# KiCad board N2360.kicad_pcb (continued)
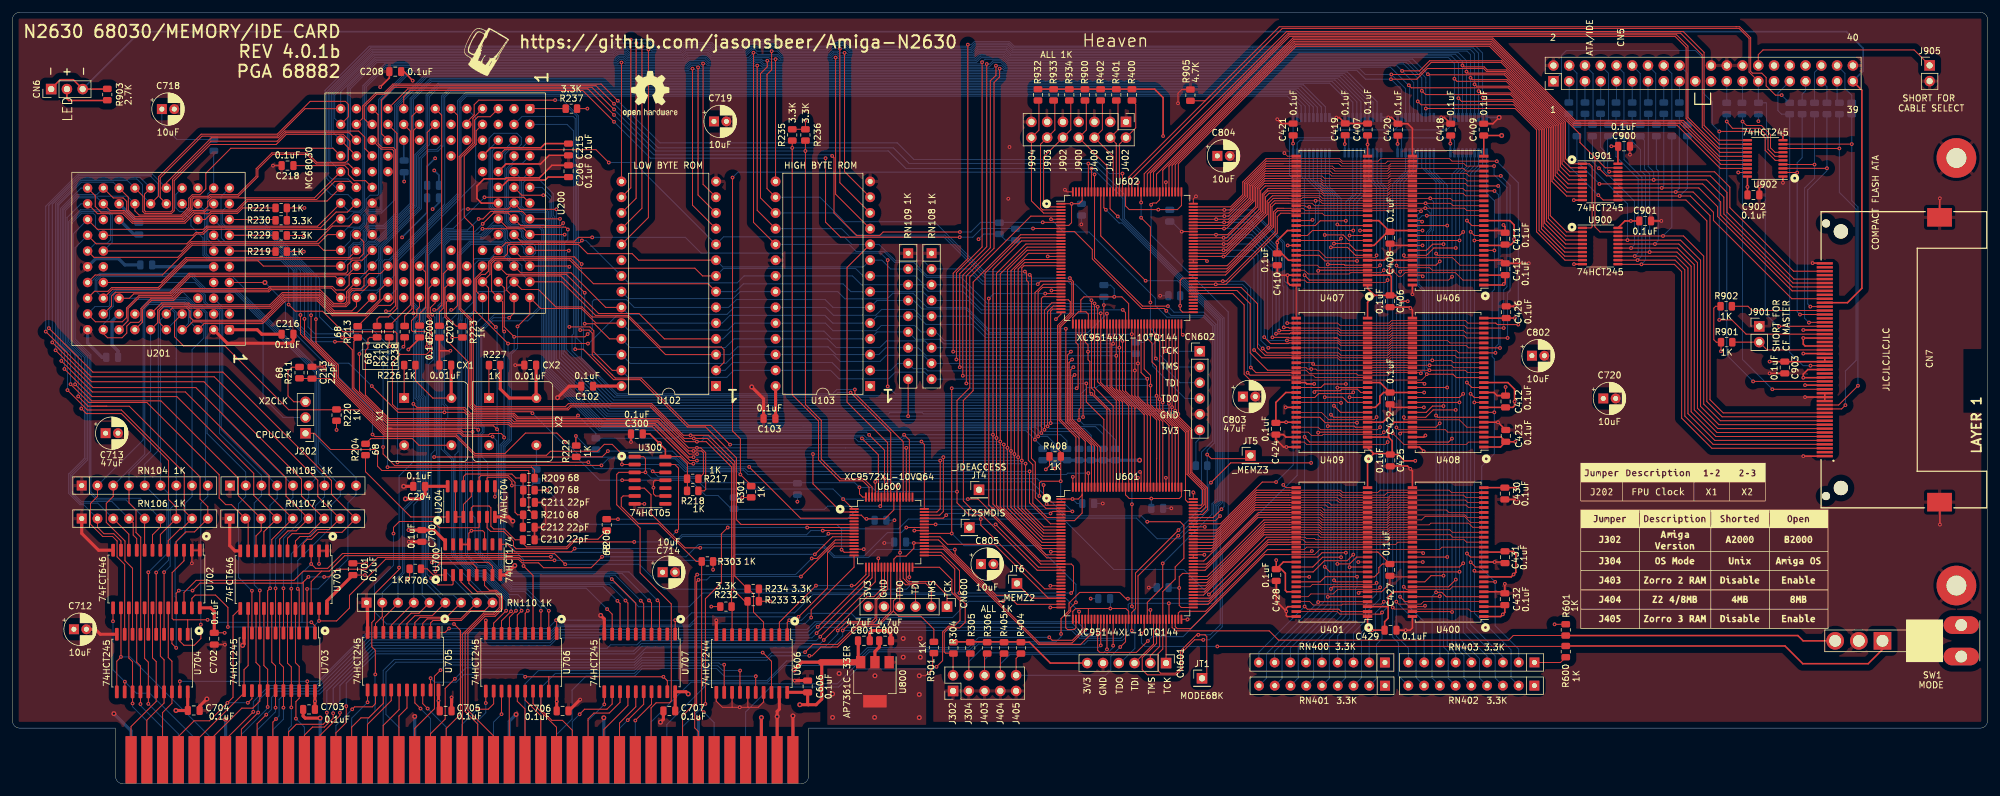
[diagram p0: board, top side]
## Footprints (pads in the part's own frame, mm; a bottom-side part is the same pattern mirrored in y, then rotated) (continued)
SOIC-20W_7.5x12.8mm_P1.27mm
  rrect 2.05x0.6 smd: 1(-4.65,5.715) 2(-4.65,4.445) 3(-4.65,3.175) 4(-4.65,1.905) 5(-4.65,0.635) 6(-4.65,-0.635) 7(-4.65,-1.905) 8(-4.65,-3.175) 9(-4.65,-4.445) 10(-4.65,-5.715) 11(4.65,-5.715) 12(4.65,-4.445) 13(4.65,-3.175) 14(4.65,-1.905) 15(4.65,-0.635) 16(4.65,0.635) 17(4.65,1.905) 18(4.65,3.175) 19(4.65,4.445) 20(4.65,5.715)
SOIC-24W_7.5x15.4mm_P1.27mm
  rrect 2.05x0.6 smd: 1(-4.65,6.985) 2(-4.65,5.715) 3(-4.65,4.445) 4(-4.65,3.175) 5(-4.65,1.905) 6(-4.65,0.635) 7(-4.65,-0.635) 8(-4.65,-1.905) 9(-4.65,-3.175) 10(-4.65,-4.445) 11(-4.65,-5.715) 12(-4.65,-6.985) 13(4.65,-6.985) 14(4.65,-5.715) 15(4.65,-4.445) 16(4.65,-3.175) 17(4.65,-1.905) 18(4.65,-0.635) 19(4.65,0.635) 20(4.65,1.905) 21(4.65,3.175) 22(4.65,4.445) 23(4.65,5.715) 24(4.65,6.985)
SOT-223-3_TabPin2
  rect 2x1.5 smd: 1(-3.15,2.3) 2(-3.15,0) 3(-3.15,-2.3)
  rect 2x3.8 smd: 2(3.15,0)
TQFP-64_10x10mm_P0.5mm
  rrect 1.475x0.3 smd: 1(-5.662,3.75) 2(-5.662,3.25) 3(-5.662,2.75) 4(-5.662,2.25) 5(-5.662,1.75) 6(-5.662,1.25) 7(-5.662,0.75) 8(-5.662,0.25) 9(-5.662,-0.25) 10(-5.662,-0.75) 11(-5.662,-1.25) 12(-5.662,-1.75) 13(-5.662,-2.25) 14(-5.662,-2.75) 15(-5.662,-3.25) 16(-5.662,-3.75) 33(5.662,-3.75) 34(5.662,-3.25) 35(5.662,-2.75) 36(5.662,-2.25) 37(5.662,-1.75) 38(5.662,-1.25) 39(5.662,-0.75) 40(5.662,-0.25) 41(5.662,0.25) 42(5.662,0.75) 43(5.662,1.25) 44(5.662,1.75) 45(5.662,2.25) 46(5.662,2.75) 47(5.662,3.25) 48(5.662,3.75)
  rrect 0.3x1.475 smd: 17(-3.75,-5.662) 18(-3.25,-5.662) 19(-2.75,-5.662) 20(-2.25,-5.662) 21(-1.75,-5.662) 22(-1.25,-5.662) 23(-0.75,-5.662) 24(-0.25,-5.662) 25(0.25,-5.662) 26(0.75,-5.662) 27(1.25,-5.662) 28(1.75,-5.662) 29(2.25,-5.662) 30(2.75,-5.662) 31(3.25,-5.662) 32(3.75,-5.662) 49(3.75,5.662) 50(3.25,5.662) 51(2.75,5.662) 52(2.25,5.662) 53(1.75,5.662) 54(1.25,5.662) 55(0.75,5.662) 56(0.25,5.662) 57(-0.25,5.662) 58(-0.75,5.662) 59(-1.25,5.662) 60(-1.75,5.662) 61(-2.25,5.662) 62(-2.75,5.662) 63(-3.25,5.662) 64(-3.75,5.662)
TQFP-144_20x20mm_P0.5mm
  rrect 1.475x0.3 smd: 1(-10.662,8.75) 2(-10.662,8.25) 3(-10.662,7.75) 4(-10.662,7.25) 5(-10.662,6.75) 6(-10.662,6.25) 7(-10.662,5.75) 8(-10.662,5.25) 9(-10.662,4.75) 10(-10.662,4.25) 11(-10.662,3.75) 12(-10.662,3.25) 13(-10.662,2.75) 14(-10.662,2.25) 15(-10.662,1.75) 16(-10.662,1.25) 17(-10.662,0.75) 18(-10.662,0.25) 19(-10.662,-0.25) 20(-10.662,-0.75) 21(-10.662,-1.25) 22(-10.662,-1.75) 23(-10.662,-2.25) 24(-10.662,-2.75) 25(-10.662,-3.25) 26(-10.662,-3.75) 27(-10.662,-4.25) 28(-10.662,-4.75) 29(-10.662,-5.25) 30(-10.662,-5.75) 31(-10.662,-6.25) 32(-10.662,-6.75) 33(-10.662,-7.25) 34(-10.662,-7.75) 35(-10.662,-8.25) 36(-10.662,-8.75) 73(10.662,-8.75) 74(10.662,-8.25) 75(10.662,-7.75) 76(10.662,-7.25) 77(10.662,-6.75) 78(10.662,-6.25) 79(10.662,-5.75) 80(10.662,-5.25) 81(10.662,-4.75) 82(10.662,-4.25) 83(10.662,-3.75) 84(10.662,-3.25) 85(10.662,-2.75) 86(10.662,-2.25) 87(10.662,-1.75) 88(10.662,-1.25) 89(10.662,-0.75) 90(10.662,-0.25) 91(10.662,0.25) 92(10.662,0.75) 93(10.662,1.25) 94(10.662,1.75) 95(10.662,2.25) 96(10.662,2.75) 97(10.662,3.25) 98(10.662,3.75) 99(10.662,4.25) 100(10.662,4.75) 101(10.662,5.25) 102(10.662,5.75) 103(10.662,6.25) 104(10.662,6.75) 105(10.662,7.25) 106(10.662,7.75) 107(10.662,8.25) 108(10.662,8.75)
  rrect 0.3x1.475 smd: 37(-8.75,-10.662) 38(-8.25,-10.662) 39(-7.75,-10.662) 40(-7.25,-10.662) 41(-6.75,-10.662) 42(-6.25,-10.662) 43(-5.75,-10.662) 44(-5.25,-10.662) 45(-4.75,-10.662) 46(-4.25,-10.662) 47(-3.75,-10.662) 48(-3.25,-10.662) 49(-2.75,-10.662) 50(-2.25,-10.662) 51(-1.75,-10.662) 52(-1.25,-10.662) 53(-0.75,-10.662) 54(-0.25,-10.662) 55(0.25,-10.662) 56(0.75,-10.662) 57(1.25,-10.662) 58(1.75,-10.662) 59(2.25,-10.662) 60(2.75,-10.662) 61(3.25,-10.662) 62(3.75,-10.662) 63(4.25,-10.662) 64(4.75,-10.662) 65(5.25,-10.662) 66(5.75,-10.662) 67(6.25,-10.662) 68(6.75,-10.662) 69(7.25,-10.662) 70(7.75,-10.662) 71(8.25,-10.662) 72(8.75,-10.662) 109(8.75,10.662) 110(8.25,10.662) 111(7.75,10.662) 112(7.25,10.662) 113(6.75,10.662) 114(6.25,10.662) 115(5.75,10.662) 116(5.25,10.662) 117(4.75,10.662) 118(4.25,10.662) 119(3.75,10.662) 120(3.25,10.662) 121(2.75,10.662) 122(2.25,10.662) 123(1.75,10.662) 124(1.25,10.662) 125(0.75,10.662) 126(0.25,10.662) 127(-0.25,10.662) 128(-0.75,10.662) 129(-1.25,10.662) 130(-1.75,10.662) 131(-2.25,10.662) 132(-2.75,10.662) 133(-3.25,10.662) 134(-3.75,10.662) 135(-4.25,10.662) 136(-4.75,10.662) 137(-5.25,10.662) 138(-5.75,10.662) 139(-6.25,10.662) 140(-6.75,10.662) 141(-7.25,10.662) 142(-7.75,10.662) 143(-8.25,10.662) 144(-8.75,10.662)
TSOP-II-54_22.2x10.16mm_P0.8mm
  rect 1.51x0.458 smd: 1(-5.75,10.4) 2(-5.75,9.6) 3(-5.75,8.8) 4(-5.75,8) 5(-5.75,7.2) 6(-5.75,6.4) 7(-5.75,5.6) 8(-5.75,4.8) 9(-5.75,4) 10(-5.75,3.2) 11(-5.75,2.4) 12(-5.75,1.6) 13(-5.75,0.8) 14(-5.75,0) 15(-5.75,-0.8) 16(-5.75,-1.6) 17(-5.75,-2.4) 18(-5.75,-3.2) 19(-5.75,-4) 20(-5.75,-4.8) 21(-5.75,-5.6) 22(-5.75,-6.4) 23(-5.75,-7.2) 24(-5.75,-8) 25(-5.75,-8.8) 26(-5.75,-9.6) 27(-5.75,-10.4) 28(5.75,-10.4) 29(5.75,-9.6) 30(5.75,-8.8) 31(5.75,-8) 32(5.75,-7.2) 33(5.75,-6.4) 34(5.75,-5.6) 35(5.75,-4.8) 36(5.75,-4) 37(5.75,-3.2) 38(5.75,-2.4) 39(5.75,-1.6) 40(5.75,-0.8) 41(5.75,0) 42(5.75,0.8) 43(5.75,1.6) 44(5.75,2.4) 45(5.75,3.2) 46(5.75,4) 47(5.75,4.8) 48(5.75,5.6) 49(5.75,6.4) 50(5.75,7.2) 51(5.75,8) 52(5.75,8.8) 53(5.75,9.6) 54(5.75,10.4)
TSSOP-20_4.4x6.5mm_P0.65mm
  rrect 1.475x0.4 smd: 1(-2.862,2.925) 2(-2.862,2.275) 3(-2.862,1.625) 4(-2.862,0.975) 5(-2.862,0.325) 6(-2.862,-0.325) 7(-2.862,-0.975) 8(-2.862,-1.625) 9(-2.862,-2.275) 10(-2.862,-2.925) 11(2.862,-2.925) 12(2.862,-2.275) 13(2.862,-1.625) 14(2.862,-0.975) 15(2.862,-0.325) 16(2.862,0.325) 17(2.862,0.975) 18(2.862,1.625) 19(2.862,2.275) 20(2.862,2.925)

## Nets
+3V3: C406.1 C407.1 C408.1 C409.1 C410.1 C411.1 C412.1 C413.1 C418.1 C419.1 C420.1 C421.1 C422.1 C423.1 C424.1 C425.1 C426.1 C427.1 C428.1 C429.1 C430.1 C431.1 C432.1 C600.1 C601.1 C602.1 C603.1 C604.1 C605.1 C607.1 C608.1 C609.1 C610.1 C800.1 C802.1 C803.1 C804.1 C805.1 CN600.6 CN601.6 CN602.6 R224.2 R225.2 R304.1 R305.1 R306.1 R400.1 R401.1 R402.1 R404.1 R405.1 R407.1 R408.1 R501.1 R600.1 R601.1 R900.1 R932.1 R933.1 R934.1 RN400.1 RN401.1 RN402.1 RN403.1 U400.1 U400.3 U400.9 U400.14 U400.27 U400.43 U400.49 U401.1 U401.3 U401.9 U401.14 U401.27 U401.43 U401.49 U406.1 U406.3 U406.9 U406.14 U406.27 U406.43 U406.49 U407.1 U407.3 U407.9 U407.14 U407.27 U407.43 U407.49 U408.1 U408.3 U408.9 U408.14 U408.27 U408.43 U408.49 U409.1 U409.3 U409.9 U409.14 U409.27 U409.43 U409.49 U418.20 U419.20 U420.20 U421.20 U600.3 U600.26 U600.37 U600.55 U601.1 U601.8 U601.37 U601.42 U601.55 U601.73 U601.84 U601.109 U601.127 U601.141 U602.1 U602.8 U602.37 U602.42 U602.55 U602.73 U602.84 U602.109 U602.127 U602.141 U800.2
+5V: C102.1 C103.1 C200.1 C201.1 C202.1 C204.1 C205.1 C206.1 C208.1 C209.1 C214.1 C215.1 C216.1 C218.1 C219.1 C220.1 C300.1 C606.1 C700.1 C701.1 C702.1 C703.1 C704.1 C705.1 C706.1 C707.1 C712.1 C713.1 C714.1 C718.1 C719.1 C720.1 C801.1 C900.1 C901.1 C902.1 C903.1 CN6.2 CN7.13 CN7.38 CN700.5 CN700.6 CX1.1 CX2.1 R217.2 R218.2 R219.2 R220.2 R221.1 R222.2 R223.2 R226.1 R227.1 R228.2 R229.2 R230.2 R231.2 R232.2 R233.2 R234.2 R235.2 R236.2 R237.2 R300.1 R301.1 R302.1 R303.1 R706.1 R901.1 R902.1 R903.1 R904.1 U102.28 U103.28 U200.32 U200.43 U200.45 U200.56 U200.60 U200.71 U200.72 U200.84 U200.86 U200.95 U201.1 U201.11 U201.18 U201.32 U201.33 U201.46 U201.50 U204.14 U300.14 U606.20 U700.16 U701.24 U702.24 U703.20 U704.20 U705.20 U706.20 U707.20 U800.3 U900.20 U901.20 U902.20 X1.8 X2.8
GND: C102.2 C103.2 C200.2 C201.2 C202.2 C204.2 C205.2 C206.2 C208.2 C209.2 C210.2 C211.2 C212.2 C213.2 C214.2 C215.2 C216.2 C218.2 C219.2 C220.2 C300.2 C406.2 C407.2 C408.2 C409.2 C410.2 C411.2 C412.2 C413.2 C418.2 C419.2 C420.2 C421.2 C422.2 C423.2 C424.2 C425.2 C426.2 C427.2 C428.2 C429.2 C430.2 C431.2 C432.2 C600.2 C601.2 C602.2 C603.2 C604.2 C605.2 C606.2 C607.2 C608.2 C609.2 C610.2 C700.2 C701.2 C702.2 C703.2 C704.2 C705.2 C706.2 C707.2 C712.2 C713.2 C714.2 C718.2 C719.2 C720.2 C800.2 C801.2 C802.2 C803.2 C804.2 C805.2 C900.2 C901.2 C902.2 C903.2 CJ1.1 CJ1.3 CJ1.5 CJ1.7 CJ1.9 CJ2.1 CJ2.3 CJ2.5 CJ2.7 CJ2.9 CJ2.11 CJ2.13 CN5.2 CN5.19 CN5.22 CN5.24 CN5.26 CN5.30 CN5.40 CN7.1 CN7.8 CN7.9 CN7.10 CN7.11 CN7.12 CN7.14 CN7.15 CN7.16 CN7.17 CN7.33 CN7.50 CN7.Z1 CN7.Z2 CN600.5 CN601.5 CN602.5 CN700.1 CN700.2 CN700.3 CN700.4 CN700.13 CN700.25 CN700.37 CN700.49 CN700.61 CN700.73 CN700.85 CX1.2 CX2.2 H1.1 H2.1 J901.1 J905.2 R100.2 R101.2 R102.2 R103.2 R104.2 R105.2 R106.2 R131.2 R905.1 RN104.1 RN105.1 RN106.1 RN107.1 RN108.1 RN109.1 RN110.1 SW1.2 U102.14 U102.20 U103.14 U103.20 U200.31 U200.33 U200.35 U200.51 U200.52 U200.57 U200.65 U200.66 U200.77 U200.78 U200.94 U200.96 U200.97 U200.98 U201.2 U201.10 U201.12 U201.13 U201.17 U201.21 U201.23 U201.28 U201.34 U201.36 U201.47 U201.56 U201.61 U204.7 U300.7 U300.9 U300.11 U400.6 U400.12 U400.28 U400.41 U400.46 U400.52 U400.54 U401.6 U401.12 U401.28 U401.41 U401.46 U401.52 U401.54 U406.6 U406.12 U406.28 U406.41 U406.46 U406.52 U406.54 U407.6 U407.12 U407.28 U407.41 U407.46 U407.52 U407.54 U408.6 U408.12 U408.28 U408.41 U408.46 U408.52 U408.54 U409.6 U409.12 U409.28 U409.41 U409.46 U409.52 U409.54 U418.10 U419.10 U420.10 U421.10 U600.14 U600.21 U600.41 U600.54 U601.18 U601.29 U601.36 U601.47 U601.62 U601.72 U601.89 U601.90 U601.99 U601.108 U601.114 U601.123 U601.144 U602.18 U602.29 U602.36 U602.47 U602.62 U602.72 U602.89 U602.90 U602.99 U602.108 U602.114 U602.123 U602.144 U606.10 U606.11 U606.13 U606.15 U606.17 U606.19 U700.8 U700.11 U700.13 U700.14 U701.1 U701.2 U701.12 U702.1 U702.2 U702.12 U703.10 U704.10 U705.10 U706.10 U707.10 U800.1 U900.10 U901.10 U902.1 U902.10 U902.19 X1.4 X2.4
28M: CN700.9
/Card Edge/_ABERR: CN700.46 U204.5
/Card Edge/_AIPL0: CN700.40 U700.6
/Card Edge/_AIPL1: CN700.42 U700.4
/Card Edge/_AIPL2: CN700.44 U700.3
/Card Edge/_COPCFG: CN700.11 R303.2 U300.6
/Card Edge/AA1: CN700.29 U707.12
/Card Edge/AA2: CN700.27 U707.11
/Card Edge/AA3: CN700.26 U707.14
/Card Edge/AA4: CN700.24 U707.15
/Card Edge/AA5: CN700.21 U707.17
/Card Edge/AA6: CN700.23 U707.16
/Card Edge/AA7: CN700.28 U707.13
/Card Edge/AA8: CN700.30 U706.18
/Card Edge/AA9: CN700.32 U706.17
/Card Edge/AA10: CN700.34 U706.16
/Card Edge/AA11: CN700.36 U706.15
/Card Edge/AA12: CN700.38 U706.14
/Card Edge/AA13: CN700.39 U706.13
/Card Edge/AA14: CN700.41 U706.11
/Card Edge/AA15: CN700.43 U706.12
/Card Edge/AA16: CN700.45 U705.18
/Card Edge/AA17: CN700.47 U705.17
/Card Edge/AA18: CN700.52 U705.16
/Card Edge/AA19: CN700.54 U705.15
/Card Edge/AA20: CN700.56 U705.14
/Card Edge/AA21: CN700.58 U705.13
/Card Edge/AA22: CN700.57 U705.11
/Card Edge/AA23: CN700.59 U705.12
/Card Edge/AD0: CN700.75 U702.14 U704.11
/Card Edge/AD1: CN700.77 U702.13 U704.12
/Card Edge/AD2: CN700.79 U702.17 U704.15
/Card Edge/AD3: CN700.81 U702.16 U704.14
/Card Edge/AD4: CN700.83 U702.15 U704.13
/Card Edge/AD5: CN700.86 U702.18 U704.16
/Card Edge/AD6: CN700.84 U702.19 U704.17
/Card Edge/AD7: CN700.82 U702.20 U704.18
/Card Edge/AD8: CN700.80 U701.13 U703.12
/Card Edge/AD9: CN700.78 U701.14 U703.11
/Card Edge/AD10: CN700.76 U701.15 U703.13
/Card Edge/AD11: CN700.71 U701.16 U703.14
/Card Edge/AD12: CN700.69 U701.17 U703.15
/Card Edge/AD13: CN700.67 U701.18 U703.16
/Card Edge/AD14: CN700.65 U701.19 U703.17
/Card Edge/AD15: CN700.63 U701.20 U703.18
/CPLD 1/TCK0: CN600.1 U600.30
/CPLD 1/TCK1: CN601.1 U601.67
/CPLD 1/TCK2: CN602.1 U602.67
/CPLD 1/TDI0: CN600.3 U600.28
/CPLD 1/TDI1: CN601.3 U601.63
/CPLD 1/TDI2: CN602.3 U602.63
/CPLD 1/TDO0: CN600.4 U600.53
/CPLD 1/TDO1: CN601.4 U601.122
/CPLD 1/TDO2: CN602.4 U602.122
/CPLD 1/TMS0: CN600.2 U600.29
/CPLD 1/TMS1: CN601.2 U601.65
/CPLD 1/TMS2: CN602.2 U602.65
/Logic, IDE/_ACTIVE: CN5.39 CN6.1 CN6.3 CN7.45 R903.2
/Logic, IDE/_CFCSEL: CN7.39 J901.2 R901.2
/Logic, IDE/_CS0A: CN7.7 R928.1 U902.8
/Logic, IDE/_CS1A: CN7.32 R929.2 U902.9
/Logic, IDE/_DIORA: CN7.34 R923.1 U902.7
/Logic, IDE/_DIOWA: CN7.35 R922.1 U902.6
/Logic, IDE/_RSTIDE: CN5.1 CN7.41 U902.5
/Logic, IDE/CSEL: CN5.28 J905.1
/Logic, IDE/DA0A: CN7.20 R925.1 U902.3
/Logic, IDE/DA1A: CN7.19 R926.1 U902.2
/Logic, IDE/DA2A: CN7.18 R927.2 U902.4
/Logic, IDE/IDED0: CN7.47 R914.2 U901.15
/Logic, IDE/IDED1: CN7.48 R915.2 U901.17
/Logic, IDE/IDED2: CN7.49 R916.2 U901.18
/Logic, IDE/IDED3: CN7.27 R917.2 U900.12
/Logic, IDE/IDED4: CN7.28 R918.2 U900.14
/Logic, IDE/IDED5: CN7.29 R919.2 U900.16
/Logic, IDE/IDED6: CN7.30 R920.2 U900.18
/Logic, IDE/IDED7: CN7.31 R921.2 U901.12
/Logic, IDE/IDED8: CN7.21 R906.1 U901.13
/Logic, IDE/IDED9: CN7.22 R907.1 U901.14
/Logic, IDE/IDED10: CN7.23 R908.1 U901.16
/Logic, IDE/IDED11: CN7.2 R909.1 U900.11
/Logic, IDE/IDED12: CN7.3 R910.1 U900.13
/Logic, IDE/IDED13: CN7.4 R911.1 U900.15
/Logic, IDE/IDED14: CN7.5 R912.1 U900.17
/Logic, IDE/IDED15: CN7.6 R913.1 U901.11
/Logic, IDE/INTRQA: CN5.31 CN7.37 R924.2
/Processor/_AS_030: R212.2 U200.76
/Processor/_DS_030: R216.1 U200.82
/Processor/CDIS: R223.1 U200.62 U200.73
/Processor/CPUCLK: R209.1 U200.49
/Processor/R_W_030: R213.2 U200.92
_7M: U600.42 U701.23 U702.23
_AAENA: U601.40 U705.19 U706.19 U707.19
_AAS: CN700.74 U600.16
_ABG: CN700.64 U600.20
_ABGACK: CN700.62 U600.22
_ABR: CN700.60 U600.23
_ADOEH: U600.10 U701.21 U702.21
_ADOEL: U600.13 U703.19 U704.19
_AS: R212.1 R230.1 U201.43 U600.46 U601.12 U602.20
_AVEC: U200.50 U601.16
_BERR: R238.1 R300.2 U300.12 U600.64 U601.24 U602.5
_BG: U200.15 U600.6
_BGACK: U200.29 U600.34 U601.22 U602.11
_BOSS: CN700.20 U300.1 U300.3 U600.1 U601.21
_BR: R237.1 U200.1 U600.52
_C1: CN700.16 U600.11
_C3: CN700.14 U600.12
_CBACK: R225.1 U200.75 U602.9
_CBREQ: R224.1 U200.81 U602.7
_CIIN: U200.90 U601.139
_CPURESET: R302.2 U200.61 U300.4 U600.59 U601.3
_CS0: U602.120 U902.12
_CS1: U602.121 U902.11
_CSROM: U102.22 U103.22 U601.140
_DIOR: U602.119 U902.13
_DIOW: U602.118 U902.14
_DS: R216.2 R229.1 U201.39 U600.2 U601.13 U602.19
_DSACK0: R217.1 U200.55 U201.52 U601.14 U602.17
_DSACK1: R218.1 U200.64 U201.62 U600.51 U601.15 U602.16
_DTACK: CN700.66 U600.19 U601.45 U602.132
_ECS: U200.104 U602.128
_EM0CS: U406.19 U407.19 U602.92
_EM1CS: U408.19 U409.19 U602.81
_EMCAS: U406.17 U407.17 U408.17 U409.17 U602.86
_EMENA: U418.19 U419.19 U420.19 U421.19 U601.64
_EMLLBE: U407.15 U409.15 U602.82
_EMLMBE: U407.39 U409.39 U602.83
_EMRAS: U406.18 U407.18 U408.18 U409.18 U602.88
_EMUMBE: U406.15 U408.15 U602.79
_EMUUBE: U406.39 U408.39 U602.80
_EMWE: U406.16 U407.16 U408.16 U409.16 U602.85
_FPUCS: U201.51 U601.10
_GRESET: R301.2 U201.27 U300.2 U601.61 U602.137
_HALT: CN700.55 R228.1 U200.70 U600.58 U601.2
_IDEACCESS: JT4.1 R408.2 U600.45 U601.5 U602.32
_IDEDIS: CJ2.8 R900.2 U602.133
_IDEEN: U602.111 U900.19 U901.19
_IDERST: U602.117 U902.15
_INT2: CN700.19 U602.135
_IPL0: U200.74 U700.7
_IPL1: U200.68 U700.5
_IPL2: U200.67 U700.2
_IVMA: U600.17 U606.2
_LDS: CN700.70 U600.35 U601.43
_MEMZ2: JT6.1 U600.39 U601.33
_MEMZ3: JT5.1 R407.2 U601.58 U602.10
_MODE0: R600.2 SW1.1 U601.60
_MODE1: R601.2 SW1.3 U601.69
_OVR: CN700.17 U601.56 U602.6
_RAM8: CJ1.8 R405.2 U601.50
_RESET: CN700.53 U600.24 U601.68 U602.134
_SENSE: R220.1 U201.14 U601.9
_STERM: R222.1 U200.63 U600.4 U602.12
_UDS: CN700.72 U600.36 U601.41
_VMA: CN700.51 U606.18
_VPA: CN700.48 R501.2 U600.27
_Z3DIS: CJ1.10 R404.2 U601.54
_ZCAS: U400.17 U401.17 U601.77
_ZCS: U400.19 U401.19 U601.81
_ZLLBE: U401.15 U601.71
_ZLMBE: U401.39 U601.75
_ZRAS: U400.18 U401.18 U601.79
_ZUMBE: U400.15 U601.70
_ZUUBE: U400.39 U601.74
_ZWE: U400.16 U401.16 U601.76
A0: R131.1 U200.2 U600.56 U601.133 U602.41
A1: RN108.2 U102.10 U103.10 U200.30 U201.59 U600.57 U601.132 U602.43 U707.8
A2: RN109.2 U102.9 U103.9 U200.48 U201.44 U601.131 U602.44 U707.9
A3: RN108.3 U102.8 U103.8 U200.47 U201.49 U601.130 U602.45 U707.6
A4: RN108.4 U102.7 U103.7 U200.39 U201.40 U601.129 U602.46 U707.5
A5: RN109.4 U102.6 U103.6 U200.38 U601.128 U602.48 U707.3
A6: RN109.5 U102.5 U103.5 U200.46 U601.126 U602.49 U707.4
A7: RN109.6 U102.4 U103.4 U200.26 U601.125 U602.50 U707.7
A7M: CN700.7 U600.32
A8: RN109.7 U102.3 U103.3 U200.25 U601.124 U602.51 U706.2
A9: RN108.7 U102.25 U103.25 U200.37 U601.121 U602.52 U706.3
A10: RN108.6 U102.24 U103.24 U200.13 U601.120 U602.53 U706.4
A11: RN109.3 U102.21 U103.21 U200.36 U601.119 U602.54 U706.5
A12: RN108.5 U102.23 U103.23 U200.24 U601.117 U602.56 U706.6
A13: RN109.8 U102.2 U103.2 U200.12 U601.116 U602.57 U706.7
A14: RN108.8 U102.26 U103.26 U200.23 U601.115 U602.58 U706.9
A15: RN108.9 U102.27 U103.27 U200.11 U601.113 U602.59 U706.8
A16: RN110.9 U200.22 U601.112 U602.60 U705.2
A17: RN110.8 U200.10 U601.111 U602.61 U705.3
A18: RN110.7 U200.34 U601.110 U602.64 U705.4
A19: RN110.6 U200.9 U601.107 U602.66 U705.5
A20: RN110.5 U200.21 U601.106 U602.68 U705.6
A21: RN110.4 U200.8 U601.105 U602.69 U705.7
A22: RN110.2 U200.20 U601.104 U602.70 U705.9
A23: RN110.3 U200.7 U601.103 U602.71 U705.8
A24: RN109.9 U200.6 U602.40
A25: R106.1 U200.19 U602.39
A26: R105.1 U200.5 U602.35
A27: R104.1 U200.18 U602.34
A28: R103.1 U200.4 U602.33
A29: R102.1 U200.17 U602.31
A30: R101.1 U200.3 U602.28
A31: R100.1 U200.16 U602.27
AADIR: U601.39 U705.1 U706.1 U707.1
ADDIR: U600.31 U701.3 U702.3 U703.1 U704.1
AFC0: CN700.31 U606.16
AFC1: CN700.33 U606.14
AFC2: CN700.35 U606.12
AR_W: CN700.68 U600.18
B2000: CJ1.2 R304.2 U600.33
BANK0: U406.20 U407.20 U408.20 U409.20 U602.94
BANK1: U406.21 U407.21 U408.21 U409.21 U602.96
CDAC: CN700.15 U600.7
CLK7: U600.40 U601.38 U602.38
CONFIGED: U300.5 U601.35
CPUCLK_A: R207.1 U400.38 U401.38 U600.15 U601.30
CPUCLK_B: R206.2 U406.38 U407.38 U408.38 U409.38 U602.30
D0: RN104.2 U200.89 U201.3 U421.2 U704.9
D1: RN104.3 U200.88 U201.4 U421.3 U704.8
D2: RN104.6 U200.102 U201.15 U421.5 U704.5
D3: RN104.5 U200.115 U201.5 U421.6 U704.6
D4: RN104.4 U200.101 U201.6 U421.7 U704.7
D5: RN104.7 U200.87 U201.16 U421.4 U704.4
D6: RN104.8 U200.114 U201.7 U420.3 U704.3
D7: RN104.9 U200.100 U201.8 U421.8 U704.2
D8: RN105.3 U200.128 U201.9 U420.2 U703.8
D9: RN105.2 U200.113 U201.24 U420.4 U703.9
D10: RN105.4 U200.99 U201.19 U421.9 U703.7
D11: RN105.5 U200.127 U201.20 U420.6 U703.6
D12: RN105.6 U200.112 U201.29 U420.5 U703.5
D13: RN105.7 U200.126 U201.25 U420.7 U703.4
D14: RN105.8 U200.111 U201.26 U420.8 U703.3
D15: RN105.9 U200.125 U201.30 U420.9 U703.2
D16: RN106.3 U102.11 U200.124 U201.38 U419.2 U601.134 U702.10 U901.5
D17: RN106.2 U102.12 U200.110 U201.37 U419.3 U601.135 U702.11 U901.3
D18: RN106.6 U102.13 U200.123 U201.42 U419.5 U601.136 U702.7 U901.2
D19: RN106.5 U102.15 U200.122 U201.48 U419.6 U601.137 U702.8 U900.8
D20: RN106.4 U102.16 U200.109 U201.41 U418.9 U601.138 U702.9 U900.6
D21: RN106.7 U102.17 U200.121 U201.58 U418.8 U702.6 U900.4
D22: RN106.8 U102.18 U200.108 U201.68 U418.7 U702.5 U900.2
D23: RN106.9 U102.19 U200.120 U201.57 U418.6 U702.4 U901.8
D24: RN107.2 U103.11 U200.107 U201.67 U419.9 U701.11 U901.7
D25: RN107.3 U103.12 U200.119 U201.55 U418.5 U701.10 U901.6
D26: RN107.4 U103.13 U200.118 U201.66 U418.4 U701.9 U901.4
D27: RN107.5 U103.15 U200.106 U201.65 U419.8 U701.8 U900.9
D28: RN107.6 U103.16 U200.117 U201.54 U418.3 U601.7 U701.7 U900.7
D29: RN107.7 U103.17 U200.105 U201.64 U419.7 U601.4 U701.6 U900.5
D30: RN107.8 U103.18 U200.93 U201.63 U419.4 U601.142 U701.5 U900.3
D31: RN107.9 U103.19 U200.116 U201.53 U418.2 U601.143 U602.26 U701.4 U901.9
DA0: U602.113 U902.17
DA1: U602.112 U902.18
DA2: U602.115 U902.16
DRSEL: U600.9 U701.22 U702.22
E: CN700.50 U600.25
EMA0: U406.23 U407.23 U408.23 U409.23 U602.101
EMA1: U406.24 U407.24 U408.24 U409.24 U602.103
EMA2: U406.25 U407.25 U408.25 U409.25 U602.105
EMA3: U406.26 U407.26 U408.26 U409.26 U602.107
EMA4: U406.29 U407.29 U408.29 U409.29 U602.106
EMA5: U406.30 U407.30 U408.30 U409.30 U602.104
EMA6: U406.31 U407.31 U408.31 U409.31 U602.102
EMA7: U406.32 U407.32 U408.32 U409.32 U602.100
EMA8: U406.33 U407.33 U408.33 U409.33 U602.97
EMA9: U406.34 U407.34 U408.34 U409.34 U602.95
EMA10: U406.22 U407.22 U408.22 U409.22 U602.98
EMA11: U406.35 U407.35 U408.35 U409.35 U602.93
EMA12: U406.36 U407.36 U408.36 U409.36 U602.91
EMCLKE: U406.37 U407.37 U408.37 U409.37 U602.87
EMD0: RN400.9 U401.2 U407.2 U409.2 U421.18
EMD1: RN401.9 U401.4 U407.4 U409.4 U421.17
EMD2: RN401.8 U401.5 U407.5 U409.5 U421.15
EMD3: RN400.7 U401.7 U407.7 U409.7 U421.14
EMD4: RN401.7 U401.8 U407.8 U409.8 U421.13
EMD5: RN400.8 U401.10 U407.10 U409.10 U421.16
EMD6: RN401.5 U401.11 U407.11 U409.11 U420.17
EMD7: RN400.6 U401.13 U407.13 U409.13 U421.12
EMD8: RN400.5 U401.42 U407.42 U409.42 U420.18
EMD9: RN400.4 U401.45 U407.44 U409.44 U420.16
EMD10: RN401.6 U401.44 U407.45 U409.45 U421.11
EMD11: RN400.3 U401.48 U407.47 U409.47 U420.14
EMD12: RN401.4 U401.47 U407.48 U409.48 U420.15
EMD13: RN401.3 U401.50 U407.50 U409.50 U420.13
EMD14: RN400.2 U401.51 U407.51 U409.51 U420.12
EMD15: RN401.2 U401.53 U407.53 U409.53 U420.11
EMD16: RN402.9 U400.2 U406.2 U408.2 U419.18
EMD17: RN403.9 U400.4 U406.4 U408.4 U419.17
EMD18: RN403.8 U400.7 U406.5 U408.5 U419.15
EMD19: RN402.7 U400.5 U406.7 U408.7 U419.14
EMD20: RN403.2 U400.8 U406.8 U408.8 U418.11
EMD21: RN402.2 U400.10 U406.10 U408.10 U418.12
EMD22: RN403.3 U400.11 U406.11 U408.11 U418.13
EMD23: RN402.3 U400.13 U406.13 U408.13 U418.14
EMD24: RN403.6 U400.42 U406.42 U408.42 U419.11
EMD25: RN403.4 U400.44 U406.44 U408.44 U418.15
EMD26: RN402.4 U400.45 U406.45 U408.45 U418.16
EMD27: RN402.6 U400.47 U406.47 U408.47 U419.12
EMD28: RN403.5 U400.48 U406.48 U408.48 U418.17
EMD29: RN403.7 U400.50 U406.50 U408.50 U419.13
EMD30: RN402.8 U400.51 U406.51 U408.51 U419.16
EMD31: RN402.5 U400.53 U406.53 U408.53 U418.18
EMDDIR: U418.1 U419.1 U420.1 U421.1 U601.100
FC0: R234.1 U200.41 U600.50 U601.20 U602.13 U606.4
FC1: R233.1 U200.27 U600.60 U601.19 U602.14 U606.6
FC2: R232.1 U200.40 U600.48 U601.17 U602.15 U606.8
IDE0: CJ2.10 R934.2 U602.2
IDE1: CJ2.12 R933.2 U602.3
IDE2: CJ2.14 R932.2 U602.4
IDEDIR: U602.110 U900.1 U901.1
INTRQ: R905.2 R924.1 U602.126
IORDY: CN5.27 CN7.42 R904.2 U602.125
IPLCLK: U600.8 U700.9
J400: CJ2.6 R402.2 U602.131
J401: CJ2.4 R401.2 U602.130
J402: CJ2.2 R400.2 U602.129
MODE68K: JT1.1 U600.61 U601.66 U602.116
OSMODE: CJ1.4 R305.2 U601.46
R_W: R213.1 R231.1 U201.60 U600.47 U601.11 U602.21
SIZ0: R235.1 U200.91 U600.63 U601.102 U602.139
SIZ1: R236.1 U200.83 U600.62 U601.101 U602.138
SMDIS: JT2.1 U600.43 U601.23
TRISTATE: U600.38 U606.1
Z2AUTO: CJ1.6 R306.2 U601.48
ZBANK0: U400.20 U401.20 U601.83
ZBANK1: U400.21 U401.21 U601.86
ZCLKE: U400.37 U401.37 U601.78
ZMA0: U400.23 U401.23 U601.92
ZMA1: U400.24 U401.24 U601.94
ZMA2: U400.25 U401.25 U601.96
ZMA3: U400.26 U401.26 U601.98
ZMA4: U400.29 U401.29 U601.97
ZMA5: U400.30 U401.30 U601.95
ZMA6: U400.31 U401.31 U601.93
ZMA7: U400.32 U401.32 U601.91
ZMA8: U400.33 U401.33 U601.87
ZMA9: U400.34 U401.34 U601.85
ZMA10: U400.22 U401.22 U601.88
ZMA11: U400.35 U401.35 U601.82
ZMA12: U400.36 U401.36 U601.80
Net-(C210-Pad1): C210.1 R206.1 U204.4
Net-(C211-Pad1): C211.1 R207.2 R209.2 U204.12
Net-(C212-Pad1): C212.1 R210.2 U204.10
Net-(C213-Pad1): C213.1 R211.2 U204.8
Net-(CN5-Pad3): CN5.3 R913.2
Net-(CN5-Pad4): CN5.4 R914.1
Net-(CN5-Pad5): CN5.5 R912.2
Net-(CN5-Pad6): CN5.6 R915.1
Net-(CN5-Pad7): CN5.7 R911.2
Net-(CN5-Pad8): CN5.8 R916.1
Net-(CN5-Pad9): CN5.9 R910.2
Net-(CN5-Pad10): CN5.10 R917.1
Net-(CN5-Pad11): CN5.11 R909.2
Net-(CN5-Pad12): CN5.12 R918.1
Net-(CN5-Pad13): CN5.13 R908.2
Net-(CN5-Pad14): CN5.14 R919.1
Net-(CN5-Pad15): CN5.15 R907.2
Net-(CN5-Pad16): CN5.16 R920.1
Net-(CN5-Pad17): CN5.17 R906.2
Net-(CN5-Pad18): CN5.18 R921.1
Net-(CN5-Pad23): CN5.23 R922.2
Net-(CN5-Pad25): CN5.25 R923.2
Net-(CN5-Pad33): CN5.33 R926.2
Net-(CN5-Pad35): CN5.35 R925.2
Net-(CN5-Pad36): CN5.36 R927.1
Net-(CN5-Pad37): CN5.37 R928.2
Net-(CN5-Pad38): CN5.38 R929.1
Net-(CN7-Pad44): CN7.44 R902.2
Net-(J202-Pad1): J202.1 R210.1
Net-(J202-Pad2): J202.2 U201.22
Net-(J202-Pad3): J202.3 R211.1
Net-(R203-Pad1): R203.1 U204.9
Net-(R203-Pad2): R203.2 X2.5
Net-(R204-Pad1): R204.1 U204.1
Net-(R204-Pad2): R204.2 X1.5
Net-(R219-Pad1): R219.1 U201.35
Net-(R221-Pad2): R221.2 U201.45
Net-(R226-Pad2): R226.2 X1.1
Net-(R227-Pad2): R227.2 X2.1
Net-(R238-Pad2): R238.2 U200.69
Net-(R706-Pad2): R706.2 U700.1
Net-(U204-Pad6): U204.6 U300.13
Net-(U204-Pad11): U204.2 U204.3 U204.11 U204.13

Pads without a net: CN5 21 29 32 34; CN7 24 25 26 36 40 43 46; CN700 8 10 12 18 22; SW1 4 5; U102 1; U103 1; U200 14 28 42 44 53 54 58 59 79 80 85 103; U201 31; U300 8 10; U400 40; U401 40; U406 40; U407 40; U408 40; U409 40; U600 5 44 49; U601 6 25 26 27 28 31 32 34 44 49 51 52 53 57 59 118; U602 22 23 24 25 74 75 76 77 78 124 136 140 142 143; U606 3 5 7 9; U700 10 12 15; U707 2 18

## Via types
v1: diameter 0.6, hole 0.3, Top to Bottom, 797 vias
v2: diameter 0.8, hole 0.4, Top to Bottom, 41 vias

## Routing (per net, layer and track width the routed paths; a pad name or vN(x,y) marks a point on that pad's centre or on a via; arc(x,y) is an arc through that point)
+3V3: length 454.2
  Top w0.15: U401.9 219.53,33.36 220.24,34.07 220.24,34.86 220.82,35.44 C427.1 220.1,37.36 218.25,37.36 ; 172.42,46.72 172.42,43.67 171.18,42.43 U601.8 ; 172.42,46.72 172.42,46.55 171.8,45.93 v1(170.87,45.93) U601.1 ; 172.42,46.72 U601.141 ; v1(166.57,50.7) 167.16,51.29 R408.1 ; v2(146.17,17.4) 147.18,17.4 148.32,18.54 148.32,20.85 ; U601.109 188.42,46.35 188.07,46 v1(183.57,46) 180.02,46 179.42,46.6 U601.127 ; U601.55 179.92,27.8 179.47,28.25 v1(176.97,28.25) 173.47,28.25 ; U602.141 172.42,94.08 171.92,93.58 v1(170.72,93.58) ; U600.37 v1(145.3,38.83) 145.3,37.98 144.03,36.71 142.55,36.71 142.07,36.23 U600.26 ; R601.1 v1(248.57,25.7) ; v1(170.72,93.58) U602.1 ; v1(170.72,93.58) 170.72,90.53 170.27,90.08 U602.8 ; 221.71,28.56 221.75,28.51 ; U602.109 188.42,93.28 187.77,92.63 v1(184.7,92.63) 180.02,92.63 179.42,93.23 U602.127 ; U600.3 136.82,43.33 137.42,42.73 v1(137.67,42.73) 140.62,42.73 142.07,44.18 U600.55 ; U602.55 179.92,77.45 178.82,78.55 v1(177.6,78.55) 172.72,78.55 172.21,78.04 172.21,76.14 ; U601.42 173.42,28.2 173.47,28.25 ; 172.21,76.14 171.84,76.14 170.92,75.23 U602.37 ; 172.21,76.14 173.04,76.14 173.42,75.75 U602.42 ; RN403.1 249.54,19.55 R600.1 ; U406.43 v1(227.28,89.26) ; 173.47,28.25 171.38,28.25 170.92,27.79 U601.37 ; U408.43 v1(227.55,63.12) ; v1(227.33,35.76) U400.43 222.36,35.76 ; U601.84 188.62,33.93 188.07,33.38 v1(188.07,31.58) 188.07,28.75 188.4,28.43 U601.73 ; U602.84 188.57,81.58 188.22,81.23 v1(188.22,77.1) 188.22,76.48 188.62,76.08 U602.73
  Top w0.25: C423.1 239.95,55.92 U408.3 ; C423.1 v1(242.24,55.17) ; C423.1 239.85,54.32 U408.1 ; U400.9 241.58,33.36 v1(241.97,33.75) 242.33,34.11 242.33,37.11 241.96,37.49 C431.1 ; U407.1 218.43,79.91 219.55,78.79 ; 222.03,82.04 221.94,82.13 221.94,83.73 222.67,84.46 U406.49 ; 222.03,82.04 222.25,81.82 222.25,78.99 ; 222.03,82.04 222.02,82.06 U407.3 ; v1(226.11,52.09) 224.32,52.09 223.31,53.11 C425.1 ; U401.27 218.43,52.3 219.4,53.27 ; U406.1 240.22,80.46 v1(240.39,80.63) 240.63,80.87 C413.1 ; 218.43,54.24 219.4,53.27 ; 219.4,53.27 222.05,53.27 ; U408.49 222.76,58.32 221.82,57.38 221.82,55.88 ; C421.1 v1(206.43,103.29) ; U406.3 240.62,82.06 ; 219.55,78.79 C406.1 222.9,78.79 223.84,77.84 v1(224.9,77.84) ; 219.55,78.79 218.43,77.67 U409.27 ; U407.14 220.23,90.86 C408.1 ; C412.1 241.85,60.72 242.13,60.99 v1(242.13,61.65) 242.13,63.64 241.05,64.72 U408.14 ; 221.82,55.88 221.79,55.92 U409.3 ; 221.82,55.88 222.39,55.31 222.39,53.42 ; U400.27 C430.1 v1(242.58,47.76) ; CN601.6 167.29,19.45 163.93,22.82 162.56,22.82 ; U401.43 204.86,35.76 C428.1 ; C409.1 v2(240.04,104.59) ; U406.27 237.16,104.58 ; U401.1 218.43,25.14 218.81,24.76 v1(219.16,24.76) C429.1 221.18,26.13 221.75,26.7 221.75,30.11 222.6,30.96 U400.49 ; U408.9 240.67,60.72 ; C428.1 v1(203.71,36.07) ; C428.1 204.51,34.61 205.18,33.94 205.18,31.19 205.41,30.96 U401.49 ; R932.1 R400.1 184.11,112.07 185.47,110.7 v1(185.47,104.5) ; 218.43,104.61 v1(218.43,103.15) U407.27 ; U407.49 205.69,84.46 204.59,85.56 C410.1 v1(203.88,87.31) 203.88,87.63 205.51,89.26 U407.43 ; U406.9 240.47,86.86 ; U400.14 240.46,37.36 ; 240.76,75.12 U408.27 ; U409.14 220.45,64.72 C422.1 221.02,63.12 220.4,62.5 220.4,61.44 219.68,60.72 U409.9 ; U401.3 221.71,28.56 ; U400.1 239.88,26.96 v1(240.23,27.31) 240.56,27.64 C432.1 ; 151.63,22.88 162.5,22.88 ; C424.1 203.65,61.52 205.25,63.12 U409.43 ; U406.43 222.27,89.26 ; v1(231.77,103.29) 231.77,104.54 ; C411.1 241.55,86.99 242.05,87.49 v1(242.05,87.86) 242.05,90.17 241.36,90.86 U406.14 ; U400.3 240.31,28.56 ; v1(214.76,103.21) 214.76,104.57 ; C426.1 v1(242.18,75.13) ; 221.65,89.04 219.47,86.86 U407.9 ; U409.49 v1(205.3,58.32) 203.75,58.32 ; v1(223.27,103.23) 223.27,104.53 ; U408.43 222.05,63.12
  Top w0.5: 139.75,23.06 139.75,22.04 139.02,21.32 U800.2
  Bottom w0.15: CN602.6 191.38,55.71 190.76,55.09 R407.1 ; v1(155.72,87.85) 156.56,88.69 R224.2 160.07,87.69 R225.2 ; C608.1 177,80.45 177.6,79.85 v1(177.6,78.55) ; v1(183.57,46) C602.1 ; C604.1 171.6,45.2 v1(170.87,45.93) ; v1(145.3,38.83) 144.02,38.83 ; v1(188.07,31.58) 186.4,31.58 ; C607.1 v1(170.72,93.58) ; v1(137.67,42.73) 138.75,42.73 ; v1(176.97,28.25) 176.97,29.8 ; v1(184.7,92.63) 186.52,92.63 ; C609.1 v1(188.22,77.1)
  Bottom w0.25: U420.20 v1(214.76,103.21) ; U418.20 v1(231.77,103.29) ; U421.20 v1(206.43,103.29) ; U419.20 v1(223.27,103.23)
  vias: v2(132.2,14.48) v2(132.2,10.68) v2(133.25,17.77) v2(139.02,17.41) v2(138.97,10.69) v2(146.17,14.38) v2(146.17,10.65)
